# KiCad board jetson-nano-baseboard.kicad_pcb (continued)
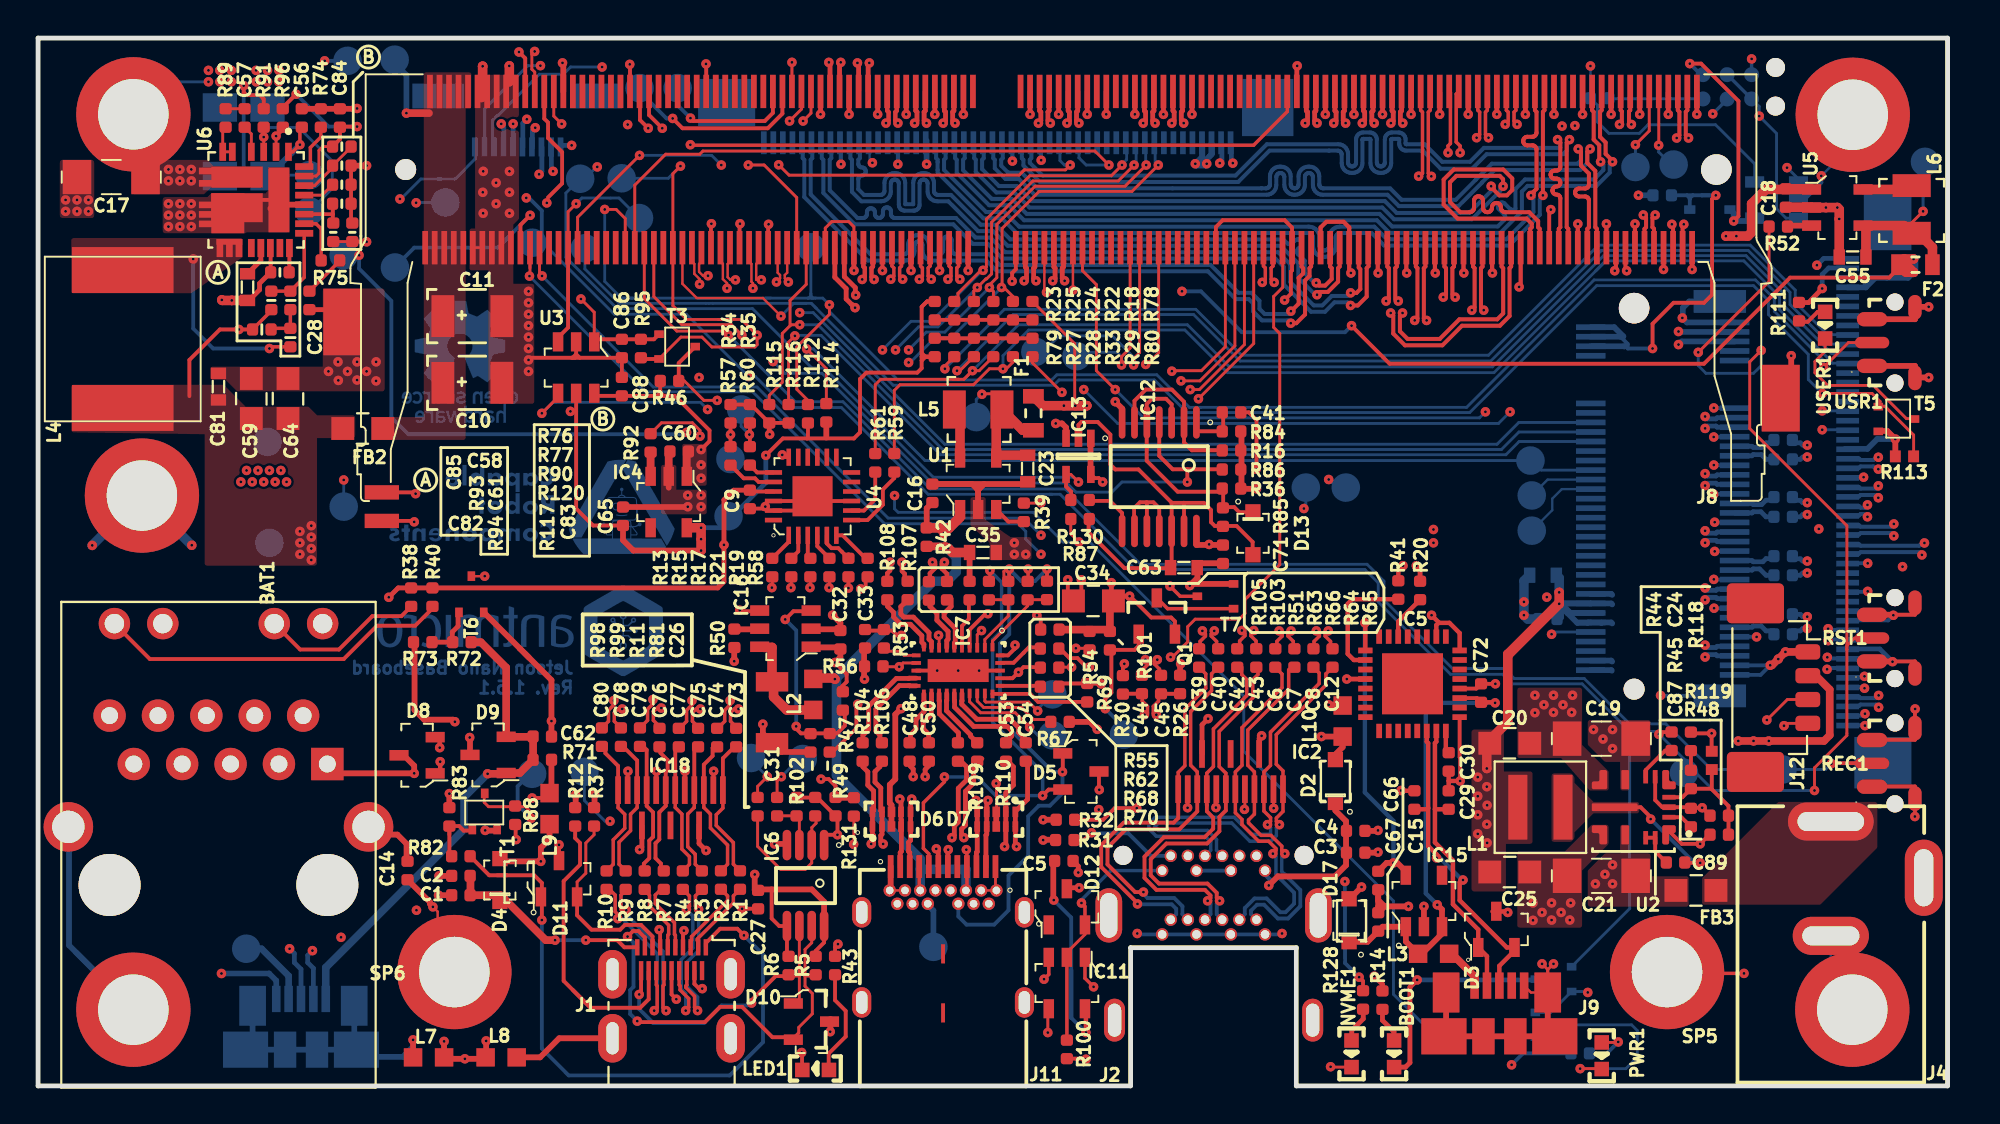
[diagram p0: board, top side]
## Routing (per net, layer and track width the routed paths; a pad name or vN(x,y) marks a point on that pad's centre or on a via; arc(x,y) is an arc through that point) (continued)
/Display/EDP_AUX_P: length 40.9
  Top w0.18: M1.92 64.32,43.03 64.42,42.94 64.42,42.34 v1(64.26,42.18) ; 58.01,21.5 58.01,21.88 58.28,22.15 58.28,22.28 58.19,22.37 v1(58.12,22.37)
  In2_SINGAL.Cu w0.125: v1(58.12,22.37) 58.31,22.56 58.31,23.29 64.44,29.42 64.44,32.91 64.44,32.95 64.43,32.98 64.41,33.02 64.38,33.04 64.34,33.07 64.31,33.08 64.27,33.08 63.5,33.08 63.41,33.09 63.33,33.12 63.25,33.17 63.19,33.23 63.14,33.31 63.11,33.39 63.1,33.48 63.1,33.53 63.11,33.62 63.14,33.71 63.19,33.78 63.25,33.85 63.33,33.89 63.41,33.92 63.5,33.93 64.27,33.93 64.31,33.94 64.34,33.95 64.38,33.97 64.41,34 64.43,34.03 64.44,34.07 64.44,34.11 64.44,34.15 64.43,34.18 64.41,34.22 64.38,34.24 64.34,34.27 64.31,34.28 64.27,34.28 63.5,34.28 63.41,34.29 63.33,34.32 63.25,34.37 63.19,34.43 63.14,34.51 63.11,34.59 63.1,34.68 63.1,34.73 63.11,34.82 63.14,34.91 63.19,34.98 63.25,35.05 63.33,35.09 63.41,35.12 63.5,35.13 64.27,35.13 64.31,35.14 64.34,35.15 64.38,35.17 64.41,35.2 64.43,35.23 64.44,35.27 64.44,35.31 64.44,35.35 64.43,35.38 64.41,35.42 64.38,35.44 64.34,35.47 64.31,35.48 64.27,35.48 63.5,35.48 63.41,35.49 63.33,35.52 63.25,35.57 63.19,35.63 63.14,35.71 63.11,35.79 63.1,35.88 63.1,35.93 63.11,36.02 63.14,36.11 63.19,36.18 63.25,36.25 63.33,36.29 63.41,36.32 63.5,36.33 64.27,36.33 64.31,36.34 64.34,36.35 64.38,36.37 64.41,36.4 64.43,36.43 64.44,36.47 64.44,36.51 64.44,36.55 64.43,36.58 64.41,36.62 64.38,36.64 64.34,36.67 64.31,36.68 64.27,36.68 63.5,36.68 63.41,36.69 63.33,36.72 63.25,36.77 63.19,36.83 63.14,36.91 63.11,36.99 63.1,37.08 63.1,37.13 63.11,37.22 63.14,37.31 63.19,37.38 63.25,37.45 63.33,37.49 63.41,37.52 63.5,37.53 64.27,37.53 64.31,37.54 64.34,37.55 64.38,37.57 64.41,37.6 64.43,37.63 64.44,37.67 64.44,37.71 64.44,37.75 64.43,37.78 64.41,37.82 64.38,37.84 64.34,37.87 64.31,37.88 64.27,37.88 63.5,37.88 63.41,37.89 63.33,37.92 63.25,37.97 63.19,38.03 63.14,38.11 63.11,38.19 63.1,38.28 63.1,38.33 63.11,38.42 63.14,38.51 63.19,38.58 63.25,38.65 63.33,38.69 63.41,38.72 63.5,38.73 64.27,38.73 64.31,38.74 64.34,38.75 64.38,38.77 64.41,38.8 64.43,38.83 64.44,38.87 64.44,38.91 64.44,38.95 64.43,38.98 64.41,39.02 64.38,39.04 64.34,39.07 64.31,39.08 64.27,39.08 63.5,39.08 63.41,39.09 63.33,39.12 63.25,39.17 63.19,39.23 63.14,39.31 63.11,39.39 63.1,39.48 63.1,39.53 63.11,39.62 63.14,39.71 63.19,39.78 63.25,39.85 63.33,39.89 63.41,39.92 63.5,39.93 64.27,39.93 64.31,39.94 64.34,39.95 64.38,39.97 64.41,40 64.43,40.03 64.44,40.07 64.44,40.11 64.44,40.15 64.43,40.18 64.41,40.22 64.38,40.24 64.34,40.27 64.31,40.28 64.27,40.28 63.5,40.28 63.41,40.29 63.33,40.32 63.25,40.37 63.19,40.43 63.14,40.51 63.11,40.59 63.1,40.68 63.1,40.73 63.11,40.82 63.14,40.91 63.19,40.98 63.25,41.05 63.33,41.09 63.41,41.12 63.5,41.13 64.27,41.13 64.31,41.14 64.34,41.15 64.38,41.17 64.41,41.2 64.43,41.23 64.44,41.27 64.44,41.31 64.44,41.99 v1(64.26,42.18)
/Display/EDP_C_AUX_C_N: length 13.8
  Top w0.18: 58.81,20.59 58.81,20.2 58.54,19.92 58.54,19.57 58.62,19.48 v1(58.7,19.48)
  Top w0.2: R26.1 59.94,20.58 C45.2
  In2_SINGAL.Cu w0.125: J2.18 63.63,12.4 63.63,12.9 62.59,13.93 59.59,13.93 58.51,15.02 58.51,19.3 v1(58.7,19.48)
/Display/EDP_C_AUX_C_P: length 13.8
  Top w0.18: 57.96,20.59 57.96,20.2 58.23,19.92 58.23,19.57 58.14,19.48 v1(58.07,19.48)
  Top w0.2: C44.2 56.96,20.59 R30.2
  In2_SINGAL.Cu w0.125: v1(58.07,19.48) 58.26,19.3 58.26,14.91 59.49,13.68 62.49,13.68 63.38,12.79 63.38,12.4 J2.16
/Display/ML_C_LANE0_N: length 20.4
  Top w0.18: IC2.3 60.84,16.49 60.5,16.83 60.5,19.64 61.59,20.74 61.59,21.63 C40.2
  Top w0.2: IC2.3 60.84,14.41 59.9,13.47 57.09,13.47 56.13,12.51 56.13,11.62 57.58,10.17 v1(58.02,10.17)
  Bottom w0.2: v1(58.02,10.17) 58.02,10.08 58.23,9.86 59.63,9.86 60.07,9.43 60.07,9.01 J2.5
/Display/ML_C_LANE0_P: length 20
  Top w0.18: IC2.1 59.84,16.46 60.19,16.81 60.19,19.77 61.29,20.87 61.29,21.63 C39.2
  Top w0.2: IC2.1 59.84,14.06 59.6,13.82 56.98,13.82 55.8,12.64 55.8,11.49 57.72,9.57 57.71,9.55 v1(57.71,9.55)
  Bottom w0.2: v1(57.71,9.55) 57.71,9.55 57.72,9.57 57.76,9.53 59.5,9.53 59.74,9.29 59.74,9.01 J2.3
/Display/ML_C_LANE1_N: length 20.3
  Top w0.18: 64.03,21.98 64.03,21.6 63.76,21.32 63.76,20.37 62,18.61 62,16.76 62.34,16.41 IC2.6
  Top w0.2: v1(62.02,9.72) 61.87,9.87 61.87,10.13 61.38,10.62 58.83,10.62 58.4,11.05 58.4,11.9 59.22,12.72 61.36,12.72 62.01,13.37 62.01,14.12 62.34,14.46 IC2.6
  Bottom w0.2: v1(62.02,9.72) 61.87,9.57 61.87,9.01 J2.11
/Display/ML_C_LANE1_P: length 20.3
  Top w0.18: 63.18,21.98 63.18,21.6 63.44,21.33 63.44,20.49 61.69,18.74 61.69,16.76 61.34,16.41 IC2.4
  Top w0.2: IC2.4 61.34,14.75 61.35,14.74 61.35,14.41 61.68,14.08 61.68,13.5 61.23,13.05 59.09,13.05 58.07,12.04 58.07,10.92 58.7,10.29 61.24,10.29 61.54,10 61.54,9.87 v1(61.39,9.72)
  Bottom w0.2: J2.9 61.54,9.01 61.54,9.57 v1(61.39,9.72)
/Display/ML_C_LANE2_N: length 19.2
  Top w0.18: 65.79,21.98 65.64,21.83 65.64,20.82 63.5,18.68 63.5,16.83 63.84,16.48 IC2.9 63.84,14.27 63.53,13.96 63.53,13.81 64.19,13.15 64.71,13.15 65.28,12.58 65.28,12.35 v1(65.44,12.19)
  Bottom w0.18: 65.42,11.11 65.28,11.25 65.28,12.03 v1(65.44,12.19)
  Bottom w0.2: J2.17 63.67,9.01 63.67,9.2 63.98,9.51 64.35,9.51 65.07,8.79 65.61,8.79 66.25,9.43 66.25,10.28 65.42,11.11
/Display/ML_C_LANE2_P: length 19.3
  Top w0.18: v1(64.81,12.19) 64.97,12.35 64.97,12.46 64.59,12.85 64.07,12.85 63.19,13.72 63.19,13.99 62.84,14.33 IC2.7 62.84,16.48 63.19,16.83 63.19,18.81 65.29,20.91 65.29,21.62 64.93,21.98
  Bottom w0.18: v1(64.81,12.19) 64.97,12.03 64.97,11.1 65.09,10.98
  Bottom w0.2: J2.15 63.34,9.01 63.34,9.33 63.85,9.84 64.48,9.84 65.21,9.12 65.48,9.12 65.93,9.57 65.93,10.14 65.09,10.98
/Display/ML_C_LANE3_N: length 21.9
  Top w0.18: v1(65.16,13.71) 65,13.87 65,14.06 65.34,14.41 IC2.12 65.34,16.53 64.99,16.89 64.99,18.44 67.59,21.04 67.59,21.63 C12.2
  Bottom w0.18: J2.12 61.85,12.37 61.85,12.93 61.38,13.41 58.82,13.41 58.62,13.61 58.81,13.8 62.65,13.8 63.6,12.85 64.71,12.85 65,13.14 65,13.55 v1(65.16,13.71)
/Display/ML_C_LANE3_P: length 21.9
  Top w0.18: v1(64.53,13.71) 64.69,13.87 64.69,14.08 64.34,14.43 IC2.10 64.34,16.48 64.69,16.82 64.69,18.57 67.24,21.12 67.24,21.68 C8.2
  Bottom w0.18: J2.10 61.55,12.37 61.55,12.81 61.25,13.1 58.69,13.1 58.3,13.5 58.3,13.76 58.64,14.1 62.78,14.1 63.67,13.21 64.64,13.21 64.69,13.26 64.69,13.55 v1(64.53,13.71)
/Display/TMDS_C1_CLK_N: length 7.4
  Top w0.18: IC18.12 30.44,14.6 30.79,14.26 30.79,13.52 30.19,12.92 30.19,11.63 R10.1
  Top w0.2: IC18.12 30.44,16.79 29.78,17.46 29.78,17.86 29.79,17.88
/Display/TMDS_C1_CLK_P: length 7.4
  Top w0.18: R9.1 30.49,11.63 30.49,12.79 31.1,13.39 31.1,14.26 31.44,14.61 IC18.10
  Top w0.2: 30.75,17.88 30.75,17.77 31.44,17.08 IC18.10
/Display/TMDS_C1_D0_N: length 7
  Top w0.2: 31.71,17.88 31.94,17.64 IC18.9 31.94,14.7 32.28,14.36 32.28,13.07 32.08,12.87 32.08,11.95 31.79,11.67 31.79,11.28
/Display/TMDS_C1_D0_P: length 7.1
  Top w0.2: 32.67,17.88 32.67,17.48 33.04,17.1 33.04,16.58 32.94,16.48 IC18.7 32.94,14.7 32.61,14.36 32.61,12.94 32.41,12.74 32.41,11.95 32.69,11.67 32.69,11.28
/Display/TMDS_C1_D1_N: length 7.1
  Top w0.18: IC18.6 33.44,14.61 33.79,14.27 33.79,12.43 34.19,12.03 34.19,11.63 R4.1
  Top w0.2: IC18.6 33.44,17.7 33.62,17.88
/Display/TMDS_C1_D1_P: length 7.1
  Top w0.18: IC18.4 34.44,14.62 34.44,14.62 34.1,14.27 34.1,12.56 34.49,12.16 34.49,11.63 R3.1
  Top w0.2: IC18.4 34.44,17.74 34.58,17.88
/Display/TMDS_C1_D2_N: length 7.5
  Top w0.18: R2.1 36.19,11.64 36.19,12.64 35.29,13.54 35.29,14.27 34.94,14.61 IC18.3
  Top w0.2: IC18.3 34.94,16.86 35.4,17.32 35.4,17.74 35.54,17.88
/Display/TMDS_C1_D2_P: length 7.5
  Top w0.18: R1.1 36.49,11.64 36.49,12.77 35.6,13.67 35.6,14.24 35.94,14.58 IC18.1
  Top w0.2: IC18.1 35.94,17.19 36.49,17.74 36.49,17.88
/Display/TMDS_CEC: length 56.6
  Top w0.15: v1(60.91,36.07) 63.81,38.97 63.81,43.99 M1.94
  In3_SIGNAL.Cu w0.15: v1(60.91,36.07) 57.01,32.17 49.36,32.17 46.2,29.01 46.2,27.25 41.14,22.2 41.14,17.14 38.45,14.45 30.44,14.45 30.02,14.03 v1(30.02,13.89)
  Bottom w0.15: v1(30.02,13.89) 29.76,13.89 28.67,14.98 TP26.1
/Display/TMDS_CEC_IN: length 10.3
  Top w0.15: 29.18,13.64 29.18,13.18 28.75,12.75 28.75,11.16 28.29,10.71 D11.2
  Top w0.2: D11.2 28.29,8.96 29.05,8.2 30.55,8.2 30.8,8.45 31.65,8.45 32.25,7.85 J1.15
/Display/TMDS_CLK_C_N: length 9.8
  Top w0.18: J1.14 32.45,5.3 32.5,5.25 32.5,4.11 v1(32.34,3.95) ; v1(30.43,8.78) 30.43,9.01 30.29,9.14 30.29,10.02 29.99,10.32
  Bottom w0.18: v1(32.34,3.95) 32.5,4.11 32.5,6.94 30.66,8.78 v1(30.43,8.78)
/Display/TMDS_CLK_C_P: length 9.8
  Top w0.18: J1.12 32.85,5.3 32.8,5.25 32.8,4.11 v1(32.96,3.95) ; 30.89,10.32 30.6,10.02 30.6,9.27 30.64,9.22 v1(30.87,9.22)
  Bottom w0.18: v1(30.87,9.22) 30.87,8.99 32.8,7.06 32.8,4.11 v1(32.96,3.95)
/Display/TMDS_CLK_N: length 70.7
  Top w0.18: C80.1 29.94,19.14 29.94,19.72 30.22,20 v1(30.22,20.23)
  Top w0.25: v1(67.13,50.54) 67.01,50.66 67.01,51.12 67.07,51.19 67.07,52.2
  In3_SIGNAL.Cu w0.18: v1(30.22,20.23) 30.08,20.09 29.84,20.09 29.39,20.54 29.39,21.06 29.4,21.1 29.41,21.14 29.43,21.17 29.46,21.2 29.5,21.22 29.53,21.23 29.57,21.24 29.7,21.24 29.74,21.24 29.78,21.26 29.81,21.28 29.84,21.31 29.86,21.34 29.87,21.38 29.88,21.42 29.87,21.46 29.86,21.5 29.84,21.53 29.81,21.56 29.78,21.58 29.74,21.59 29.7,21.6 29.57,21.6 29.53,21.6 29.5,21.62 29.46,21.64 29.43,21.67 29.41,21.7 29.4,21.74 29.39,21.78 29.39,27.29 29.38,27.39 29.35,27.48 29.3,27.57 29.22,27.64 29.14,27.69 29.04,27.72 28.94,27.74 28.76,27.74 28.73,27.74 28.69,27.75 28.66,27.77 28.63,27.8 28.61,27.83 28.6,27.87 28.59,27.91 28.59,27.96 28.6,28 28.61,28.03 28.63,28.07 28.66,28.09 28.69,28.11 28.73,28.13 28.76,28.13 28.94,28.13 29.04,28.14 29.14,28.18 29.22,28.23 29.3,28.3 29.35,28.39 29.38,28.48 29.39,28.58 29.39,28.69 29.38,28.79 29.35,28.88 29.3,28.97 29.22,29.04 29.14,29.09 29.04,29.12 28.94,29.14 28.76,29.14 28.73,29.14 28.69,29.15 28.66,29.17 28.63,29.2 28.61,29.23 28.6,29.27 28.59,29.31 28.59,29.36 28.6,29.4 28.61,29.43 28.63,29.47 28.66,29.49 28.69,29.51 28.73,29.53 28.76,29.53 28.94,29.53 29.04,29.54 29.14,29.58 29.22,29.63 29.3,29.7 29.35,29.79 29.38,29.88 29.39,29.98 29.39,33.51 30.79,34.91 30.79,43.28 34.44,46.93 64.73,46.93 67.13,49.33 v1(67.13,50.54)
/Display/TMDS_CLK_P: length 70.7
  Top w0.18: v1(30.66,19.79) 30.44,19.79 30.24,19.59 30.24,19.14 C78.1
  Top w0.25: v1(66.51,50.54) 66.63,50.66 66.63,51.12 66.57,51.19 66.57,52.2
  In3_SIGNAL.Cu w0.18: v1(30.66,19.79) 30.47,19.79 30.44,19.76 30,19.76 29.97,19.79 29.72,19.79 29.09,20.41 29.09,27.26 29.08,27.3 29.07,27.33 29.05,27.37 29.02,27.39 28.99,27.41 28.95,27.43 28.92,27.43 28.74,27.43 28.64,27.44 28.54,27.48 28.46,27.53 28.38,27.6 28.33,27.69 28.3,27.78 28.29,27.88 28.29,27.99 28.3,28.09 28.33,28.18 28.38,28.27 28.46,28.34 28.54,28.39 28.64,28.42 28.74,28.44 28.92,28.44 28.95,28.44 28.99,28.45 29.02,28.47 29.05,28.5 29.07,28.53 29.08,28.57 29.09,28.61 29.09,28.66 29.08,28.7 29.07,28.73 29.05,28.77 29.02,28.79 28.99,28.81 28.95,28.83 28.92,28.83 28.74,28.83 28.64,28.84 28.54,28.88 28.46,28.93 28.38,29 28.33,29.09 28.3,29.18 28.29,29.28 28.29,29.39 28.3,29.49 28.33,29.58 28.38,29.67 28.46,29.74 28.54,29.79 28.64,29.82 28.74,29.84 28.92,29.84 28.95,29.84 28.99,29.85 29.02,29.87 29.05,29.9 29.07,29.93 29.08,29.97 29.09,30.01 29.09,33.65 30.49,35.05 30.49,43.4 34.32,47.23 64.6,47.23 66.67,49.3 66.67,50.38 v1(66.51,50.54)
/Display/TMDS_D0_C_N: length 3.6
  Top w0.18: 31.79,10.32 32.09,10.02 32.09,9.44 33.1,8.44 33.1,7.96 33.05,7.91 J1.11
/Display/TMDS_D0_C_P: length 3.6
  Top w0.18: J1.9 33.45,7.91 33.4,7.96 33.4,8.56 32.4,9.57 32.4,10.02 32.69,10.32
/Display/TMDS_D0_N: length 70.7
  Top w0.18: v1(32.27,20.28) 32.27,20.05 31.99,19.77 31.99,19.19 31.64,18.84
  Top w0.25: 68.57,52.2 68.57,51.19 68.51,51.12 68.51,50.66 v1(68.63,50.54)
  In3_SIGNAL.Cu w0.18: v1(32.27,20.28) 30.79,21.75 30.8,21.79 30.81,21.83 30.83,21.87 30.86,21.89 30.9,21.92 30.93,21.93 30.97,21.93 31,21.93 31.04,21.94 31.08,21.95 31.11,21.97 31.14,22 31.16,22.04 31.18,22.07 31.18,22.11 31.18,22.15 31.16,22.19 31.14,22.23 31.11,22.25 31.08,22.28 31.04,22.29 31,22.29 30.97,22.29 30.93,22.3 30.9,22.31 30.86,22.33 30.83,22.36 30.81,22.4 30.8,22.43 30.79,22.47 30.8,22.51 30.81,22.55 30.83,22.59 30.86,22.61 30.9,22.64 30.93,22.65 30.97,22.65 31,22.65 31.04,22.66 31.08,22.67 31.11,22.69 31.14,22.72 31.16,22.76 31.18,22.79 31.18,22.83 31.18,22.87 31.16,22.91 31.14,22.95 31.11,22.97 31.08,23 31.04,23.01 31,23.01 30.97,23.01 30.93,23.02 30.9,23.03 30.86,23.05 30.83,23.08 30.81,23.12 30.8,23.15 30.79,23.19 30.79,24.08 30.78,24.17 30.75,24.26 30.7,24.34 30.64,24.41 30.56,24.46 30.47,24.49 30.37,24.5 30.2,24.5 30.16,24.5 30.13,24.51 30.11,24.53 30.08,24.55 30.07,24.58 30.06,24.61 30.05,24.64 30.05,24.72 30.06,24.75 30.07,24.78 30.08,24.81 30.11,24.83 30.13,24.85 30.16,24.86 30.2,24.86 30.37,24.86 30.47,24.87 30.56,24.9 30.64,24.95 30.7,25.02 30.75,25.1 30.78,25.19 30.79,25.28 30.79,25.38 30.78,25.47 30.75,25.56 30.7,25.64 30.64,25.71 30.56,25.76 30.47,25.79 30.37,25.8 30.2,25.8 30.16,25.8 30.13,25.81 30.11,25.83 30.08,25.85 30.07,25.88 30.06,25.91 30.05,25.94 30.05,26.02 30.06,26.05 30.07,26.08 30.08,26.11 30.11,26.13 30.13,26.15 30.16,26.16 30.2,26.16 30.37,26.16 30.47,26.17 30.56,26.2 30.64,26.25 30.7,26.32 30.75,26.4 30.78,26.49 30.79,26.58 30.79,33.34 31.79,34.34 31.79,42.93 34.97,46.1 65.4,46.1 68.63,49.33 v1(68.63,50.54)
/Display/TMDS_D0_P: length 70.7
  Top w0.18: v1(32.71,19.84) 32.49,19.84 32.29,19.64 32.29,19.19 32.64,18.84
  Top w0.25: v1(68.01,50.54) 68.13,50.66 68.13,51.12 68.07,51.19 68.07,52.2
  In3_SIGNAL.Cu w0.18: v1(68.01,50.54) 68.17,50.38 68.17,49.3 65.28,46.41 34.84,46.41 31.49,43.05 31.49,34.47 30.49,33.47 30.49,26.61 30.49,26.58 30.48,26.55 30.46,26.52 30.44,26.5 30.41,26.48 30.38,26.47 30.35,26.47 30.17,26.47 30.08,26.45 29.99,26.42 29.91,26.37 29.84,26.31 29.79,26.23 29.76,26.14 29.75,26.04 29.75,25.92 29.76,25.82 29.79,25.73 29.84,25.65 29.91,25.59 29.99,25.54 30.08,25.51 30.17,25.5 30.35,25.5 30.38,25.49 30.41,25.48 30.44,25.46 30.46,25.44 30.48,25.41 30.49,25.39 30.49,25.35 30.49,25.31 30.49,25.28 30.48,25.25 30.46,25.22 30.44,25.2 30.41,25.18 30.38,25.17 30.35,25.17 30.17,25.17 30.08,25.15 29.99,25.12 29.91,25.07 29.84,25.01 29.79,24.93 29.76,24.84 29.75,24.74 29.75,24.62 29.76,24.52 29.79,24.43 29.84,24.35 29.91,24.29 29.99,24.24 30.08,24.21 30.17,24.2 30.35,24.2 30.38,24.19 30.41,24.18 30.44,24.16 30.46,24.14 30.48,24.11 30.49,24.09 30.49,24.05 30.49,21.63 31.81,20.31 31.81,20.05 32.05,19.81 32.49,19.81 32.52,19.84 v1(32.71,19.84)
/Display/TMDS_D1_C_N: length 9.4
  Top w0.18: J1.8 33.65,5.3 33.7,5.25 33.7,5.04 34.15,4.58 34.15,4.11 v1(33.99,3.95) ; R4.2 34.19,9.97 34.19,9.42 v1(34.03,9.26)
  Bottom w0.18: v1(34.03,9.26) 34.37,8.92 34.37,7.24 33.76,6.63 33.76,5.08 33.99,4.85 v1(33.99,3.95)
/Display/TMDS_D1_C_P: length 9.4
  Top w0.18: v1(34.62,3.95) 34.46,4.11 34.46,4.71 34,5.16 34,5.25 34.05,5.3 J1.6 ; R3.2 34.5,9.98 34.5,9.44 v1(34.67,9.27)
  Bottom w0.18: v1(34.67,9.27) 34.67,9.27 34.67,7.11 34.06,6.5 34.06,5.21 34.62,4.66 v1(34.62,3.95)
/Display/TMDS_D1_N: length 70.7
  Top w0.18: v1(34.32,20.23) 34.32,20 34.04,19.72 34.04,19.14 33.69,18.79
  Top w0.25: v1(70.13,50.54) 70.01,50.66 70.01,51.12 70.07,51.19 70.07,52.2
  In3_SIGNAL.Cu w0.18: v1(70.13,50.54) 69.97,50.38 69.97,48.62 66.75,45.4 40.8,45.4 39.86,44.46 34.71,44.46 32.69,42.44 32.69,33.64 32.09,33.04 32.09,30.22 32.1,30.19 32.11,30.16 32.13,30.13 32.15,30.11 32.18,30.09 32.21,30.08 32.24,30.08 32.42,30.08 32.52,30.07 32.61,30.03 32.69,29.98 32.75,29.92 32.8,29.83 32.84,29.74 32.85,29.65 32.85,29.53 32.84,29.44 32.8,29.35 32.75,29.27 32.69,29.2 32.61,29.15 32.52,29.12 32.42,29.11 32.24,29.11 32.21,29.1 32.18,29.09 32.15,29.07 32.13,29.05 32.11,29.02 32.1,28.99 32.09,28.96 32.09,22 33.11,20.99 33.14,20.97 33.18,20.95 33.21,20.94 33.25,20.94 33.29,20.95 33.33,20.97 33.36,20.99 33.49,21.11 33.52,21.14 33.55,21.16 33.59,21.17 33.63,21.17 33.67,21.16 33.71,21.14 33.74,21.11 33.77,21.08 33.78,21.05 33.79,21.01 33.79,20.97 33.78,20.93 33.77,20.89 33.74,20.86 33.62,20.74 33.59,20.7 33.57,20.67 33.57,20.63 33.57,20.59 33.57,20.55 33.59,20.51 33.62,20.48 33.89,20.21 34.3,20.21 v1(34.32,20.23)
/Display/TMDS_D1_P: length 70.7
  Top w0.18: 34.69,18.79 34.34,19.14 34.34,19.59 34.54,19.79 v1(34.76,19.79)
  Top w0.25: v1(69.51,50.54) 69.63,50.66 69.63,51.12 69.57,51.19 M1.71
  In3_SIGNAL.Cu w0.18: v1(34.76,19.79) 34.73,19.76 33.91,19.76 31.79,21.88 31.79,28.98 31.8,29.08 31.83,29.17 31.88,29.25 31.95,29.32 32.03,29.37 32.12,29.4 32.22,29.41 32.39,29.41 32.43,29.41 32.46,29.43 32.49,29.44 32.51,29.47 32.53,29.49 32.54,29.53 32.54,29.56 32.54,29.62 32.54,29.66 32.53,29.69 32.51,29.72 32.49,29.74 32.46,29.76 32.43,29.77 32.39,29.77 32.22,29.77 32.12,29.78 32.03,29.81 31.95,29.86 31.88,29.93 31.83,30.01 31.8,30.1 31.79,30.2 31.79,33.17 32.39,33.77 32.39,42.57 34.58,44.76 39.73,44.76 40.68,45.71 66.63,45.71 69.67,48.75 69.67,50.38 v1(69.51,50.54)
/Display/TMDS_D2_C_N: length 4
  Top w0.18: J1.5 34.25,7.59 34.3,7.63 34.3,7.84 36.19,9.73 36.19,9.97 R2.2
/Display/TMDS_D2_C_P: length 4
  Top w0.18: R1.2 36.49,9.97 36.49,9.6 34.6,7.71 34.6,7.63 34.65,7.59 J1.3
/Display/TMDS_D2_N: length 70.8
  Top w0.18: v1(36.32,20.23) 36.32,20 36.04,19.72 36.04,19.14 35.69,18.79
  Top w0.25: v1(71.63,50.54) 71.51,50.66 71.51,51.12 71.57,51.19 71.57,52.2
  In3_SIGNAL.Cu w0.18: v1(36.32,20.23) 36.18,20.09 36.07,20.09 35.65,20.51 35.62,20.55 35.61,20.58 35.6,20.62 35.6,20.66 35.61,20.7 35.62,20.74 35.65,20.77 35.74,20.86 35.76,20.89 35.78,20.92 35.79,20.96 35.79,21 35.78,21.04 35.76,21.08 35.74,21.11 35.71,21.14 35.67,21.15 35.63,21.16 35.59,21.16 35.55,21.15 35.51,21.14 35.48,21.11 35.39,21.02 35.36,21 35.33,20.98 35.29,20.97 35.25,20.97 35.21,20.98 35.17,21 35.14,21.02 33.49,22.67 33.49,24.95 33.5,24.97 33.5,24.99 33.51,25.01 33.53,25.03 33.55,25.04 33.57,25.05 33.59,25.05 33.76,25.05 33.85,25.06 33.93,25.09 34,25.13 34.06,25.19 34.1,25.26 34.13,25.34 34.14,25.42 34.14,25.64 34.13,25.73 34.1,25.8 34.06,25.88 34,25.94 33.93,25.98 33.85,26.01 33.76,26.02 33.59,26.02 33.57,26.02 33.55,26.03 33.53,26.04 33.51,26.05 33.5,26.07 33.5,26.09 33.49,26.11 33.49,41.74 35.1,43.35 40.05,43.35 41.35,44.65 67.45,44.65 71.47,48.67 71.47,50.38 v1(71.63,50.54)
/Display/TMDS_D2_P: length 70.8
  Top w0.18: 36.69,18.79 36.34,19.14 36.34,19.59 36.54,19.79 v1(36.76,19.79)
  Top w0.25: v1(71.01,50.54) 71.13,50.66 71.13,51.12 71.07,51.19 71.07,52.2
  In3_SIGNAL.Cu w0.18: v1(71.01,50.54) 71.17,50.38 71.17,48.8 67.33,44.96 41.23,44.96 39.93,43.66 34.98,43.66 33.19,41.87 33.19,26.09 33.2,26.01 33.23,25.93 33.27,25.85 33.33,25.79 33.4,25.75 33.48,25.72 33.57,25.71 33.74,25.71 33.76,25.71 33.78,25.7 33.8,25.69 33.81,25.68 33.83,25.66 33.83,25.64 33.84,25.62 33.84,25.45 33.83,25.43 33.83,25.41 33.81,25.39 33.8,25.37 33.78,25.36 33.76,25.36 33.74,25.35 33.57,25.35 33.48,25.34 33.4,25.32 33.33,25.27 33.27,25.21 33.23,25.14 33.2,25.06 33.19,24.98 33.19,22.54 35.95,19.79 36.07,19.79 36.1,19.76 36.54,19.76 36.57,19.79 v1(36.76,19.79)
/Display/TMDS_HPD_IN: length 35.2
  Top w0.2: 22.68,12.09 R82.1 23.68,11.06 24.59,11.06 ; v1(26.44,8.71) 26.44,10.66 26.04,11.06 24.59,11.06 ; J1.1 35.05,7.5 35.8,8.25 36.7,8.25 v1(37.05,7.9) ; 24.59,11.06 24.09,11.06
  Bottom w0.2: v1(26.44,8.71) 26.44,1.96 27.85,0.55 36.3,0.55 38.05,2.3 38.05,6.9 v1(37.05,7.9)
/Display/TMDS_SCL: length 45.6
  Top w0.15: M1.100 62.32,38.8 61.06,37.54 59.53,37.54 v1(59.51,37.52) ; v1(38.28,16.23) 37.77,15.72 37.77,15.14
  In3_SIGNAL.Cu w0.15: v1(38.28,16.23) 40.24,18.2 40.24,22.46 43.69,25.91 43.69,27.66 49.04,33.01 56.48,33.01 59.05,35.59 59.05,37.06 v1(59.51,37.52)
  Bottom w0.15: v1(38.28,16.23) 37.42,17.08 TP33.1
/Display/TMDS_SCL_5V0: length 22.8
  Top w0.15: IC6.7 40.61,7.51 40.26,7.16 40.26,5.77 ; 40.81,5.77 40.26,5.77 40.26,5.77 ; 40.26,5.77 40.26,5.23 40.64,4.85 40.64,3.78 39.93,3.07 39.93,2.79 39.69,2.56
  Top w0.2: v1(31.45,3.4) 31.5,3.35 35,3.35 35.8,4.15 36.95,4.15 38.54,2.56 39.69,2.56 ; J1.17 31.85,7.79 31.51,8.13 31.22,8.13 v1(30.94,7.84)
  Bottom w0.2: v1(30.94,7.84) 31.25,7.53 31.25,5.2 31.07,5.03 31.07,3.78 v1(31.45,3.4)
/Display/TMDS_SDA: length 45.3
  Top w0.15: M1.98 62.82,38.84 60.98,37.01 v1(59.99,37.01) ; v1(39.01,16.23) 38.79,16.01 38.79,15.14
  In3_SIGNAL.Cu w0.15: v1(39.01,16.23) 40.54,17.76 40.54,22.37 43.99,25.82 43.99,27.57 49.15,32.73 56.66,32.73 59.74,35.81 59.74,36.75 v1(59.99,37.01)
  Bottom w0.15: 40.14,17.21 39.99,17.21 v1(39.01,16.23)
/Display/TMDS_SDA_5V0: length 16.1
  Top w0.15: 39.69,4.46 39.96,4.46 39.96,5.77 ; 39.39,5.77 39.39,5.77 39.96,5.77 ; 39.96,5.77 39.96,8.39
  Top w0.2: J1.18 31.65,4.9 v1(31.55,4.8) ; v1(37.45,4.35) 37.45,4.5 38.71,5.76 39.39,5.76
  Bottom w0.2: v1(31.55,4.8) 31.55,4.03 32.28,3.3 34.95,3.3 35.88,4.23 37.23,4.23 37.35,4.35 v1(37.45,4.35)
/ID Serial/EEPROM_PWR: length 12.6
  Top w0.2: v1(86.7,53.66) 87.29,53.66 89.25,51.7 89.25,45.65 v1(89,45.4)
  Bottom w0.15: 87.4,53.09 87.39,53.09
  Bottom w0.2: v1(86.7,53.66) 87.27,53.08 TP30.1
  Bottom w0.3: D15.C 89,45.81 v1(89,45.4) 89.95,45.4 IC17.4
/ID Serial/SN_WP: length 61.4
  Top w0.2: v1(97.86,27.25) 97.88,27.27 ; 93.42,29.18 v1(93.47,29.24)
  In2_SINGAL.Cu w0.2: v1(93.47,29.24) 95.07,29.24 97.1,27.2 97.81,27.2 v1(97.86,27.25)
  In3_SIGNAL.Cu w0.125: v1(81.48,53.54) 82.43,52.59 91.51,52.59 91.97,52.13 91.97,48.67 93.86,46.78 97.02,46.78 99.72,44.08 99.72,27.87 99.11,27.25 v1(97.86,27.25)
  Bottom w0.125: 81.49,51.84 81.49,53.53 v1(81.48,53.54)
  Bottom w0.15: R132.1 81.85,51.47 81.85,50.6 82.45,50 84.05,50 84.5,50.45 88.05,50.45 90.1,48.4 IC17.5
/Interfaces/C_PCIE0_TX0_N: length 2.2
  Bottom w0.25: J8.47 89.96,33.07 90.02,33.14 90.45,33.14 90.7,32.89 91.12,32.89
/Interfaces/C_PCIE0_TX0_P: length 2.2
  Bottom w0.25: J8.49 89.96,33.57 90.02,33.51 90.45,33.51 90.7,33.76 91.12,33.76
/Interfaces/C_PCIE0_TX1_N: length 2.2
  Bottom w0.25: 91.12,29.87 90.7,29.87 90.43,30.14 90.02,30.14 89.96,30.07 J8.35
/Interfaces/C_PCIE0_TX1_P: length 2.2
  Bottom w0.25: J8.37 89.96,30.57 90.02,30.51 90.47,30.51 90.7,30.74 91.12,30.74
/Interfaces/C_PCIE0_TX2_N: length 2.2
  Bottom w0.25: 91.12,26.8 90.7,26.8 90.36,27.14 90.02,27.14 89.96,27.07 J8.23
/Interfaces/C_PCIE0_TX2_P: length 2.2
  Bottom w0.25: 91.12,27.68 90.7,27.68 90.53,27.51 90.02,27.51 89.96,27.57 J8.25
/Interfaces/C_PCIE0_TX3_N: length 2.2
  Bottom w0.25: 91.12,23.88 90.7,23.88 90.44,24.14 90.02,24.14 89.96,24.08 J8.11
/Interfaces/C_PCIE0_TX3_P: length 2.2
  Bottom w0.25: 91.12,24.76 90.7,24.76 90.45,24.51 90.02,24.51 89.96,24.57 J8.13
/SoM/PMIC_BBAT: length 27.9
  Top w0.125: 26.76,46.63 26.76,46.41 v1(26.7,46.35)
  Top w0.2: 26.76,46.63 27.51,47.38 27.51,49.01 26.77,49.75 26.77,50.57 26.57,50.77 26.57,52.2 ; v1(19.81,31.09) 19.74,31.16 BAT1.+
  In3_SIGNAL.Cu w0.2: v1(26.7,46.35) 26.7,44.57 23.44,41.31 23.44,32.31 22.22,31.09 v1(19.81,31.09)
/Supply/\~{PWR_SET}: length 2.9
  Top w0.2: IC12.1 60.8,34.36 62.2,34.36 62.2,35.36
/Supply/FAN_PMW_5V: length 76.1
  Top w0.15: U3.4 27.29,36.16 v1(26.44,35.31) ; J12.4 91.77,19.03 v1(91.64,18.91)
  In3_SIGNAL.Cu w0.15: v1(73.24,28.51) 73.84,27.91 79.74,27.91 88.99,18.66 91.39,18.66 v1(91.64,18.91)
  In5_3V3_SYS_SIGNAL.Cu w0.15: 53.04,33.01 53.54,33.01 ; 53.54,33.01 68.74,33.01 v1(73.24,28.51) ; 53.54,33.01 45.04,33.01 42.54,35.51 v1(35.14,35.51)
  Bottom w0.15: 27.02,35.88 34.77,35.88 v1(35.14,35.51) ; 27.02,35.88 v1(26.44,35.31) ; 27.02,35.88 27.22,35.88
/Supply/FAN_TACH_5V: length 69.4
  Top w0.15: v1(90.74,19.21) 91.82,20.28 J12.3 ; R46.1 33.92,37.01 34.94,35.98 v1(35.64,35.98)
  Top w0.2: T3.3 33.63,37.94 R46.1
  In3_SIGNAL.Cu w0.15: v1(73.24,29.21) 74.24,28.21 79.94,28.21 88.94,19.21 v1(90.74,19.21)
  In5_3V3_SYS_SIGNAL.Cu w0.15: v1(73.24,29.21) 69.04,33.41 45.64,33.41 43.06,35.98 v1(35.64,35.98) 35.72,35.91
/Supply/Q: length 12.9
  Top w0.2: IC12.3 59.5,35.77 59.2,36.07 58.47,36.07 58.19,35.79 58.19,34.84 IC12.5 58.19,34.82 58.19,32.82 59.81,31.19 62.03,31.19 62.2,31.37 62.2,30.37 62.23,30.35 62.26,30.38 62.79,30.38 63.05,30.11 63.75,30.11
/Supply/QDEL: length 24.9
  Top w0.2: 60.14,30.61 61.19,30.61 61.57,30.23 61.57,29.59 61.77,29.39 62.91,29.39 63.75,28.55 63.75,28 ; 60.14,30.61 60.15,30.6 IC12.13 ; 60.14,30.61 59.5,30.61 ; 55.16,29.69 55.14,29.67 55.14,29.06 57.02,27.18 59.23,27.18 59.5,27.45 IC12.12 59.5,30.62 57.76,32.36 56.54,32.36 56.28,32.61 56.28,34.19 55.62,34.85 54.76,34.85 54.61,34.7 IC13.2
/Supply/VDRV_5V_DCDC: length 1.6
  Top w0.25: 10.99,42.63 11.69,43.33 11.69,43.98
/USB/C_CC1: length 29.1
  Top w0.18: v1(52.73,15.24) 52.74,15.23 ; v1(47.57,16.22) 47.57,15.96 46.47,14.86 46.47,12.46 46.75,12.18 J11.A5 ; v1(51.97,27.13) 51.97,26.51 51.94,26.48 ; v1(49.96,27.05) 49.96,26.53 49.91,26.48
  Top w0.2: D5.2 53.04,15.56 v1(52.73,15.24)
  In2_SINGAL.Cu w0.18: v1(51.97,27.13) 51.34,26.5 50.51,26.5 v1(49.96,27.05)
  Bottom w0.18: v1(47.57,16.22) 49.28,16.22 50.26,15.24 v1(52.73,15.24) 52.73,16.46 50.1,19.09 50.1,23.42 50.57,23.89 50.57,26.44 v1(49.96,27.05)
/USB/C_CC2: length 30.4
  Top w0.15: 50.7,27.02 50.69,27.01 50.69,26.48
  Top w0.2: v1(50.98,27.13) 50.98,26.53 50.92,26.48 ; 52.96,26.49 v1(52.96,27.13) ; v1(53.77,16.48) 53.78,16.5 D5.1